# Altium PCB PowerSupply.PcbDoc (continued)
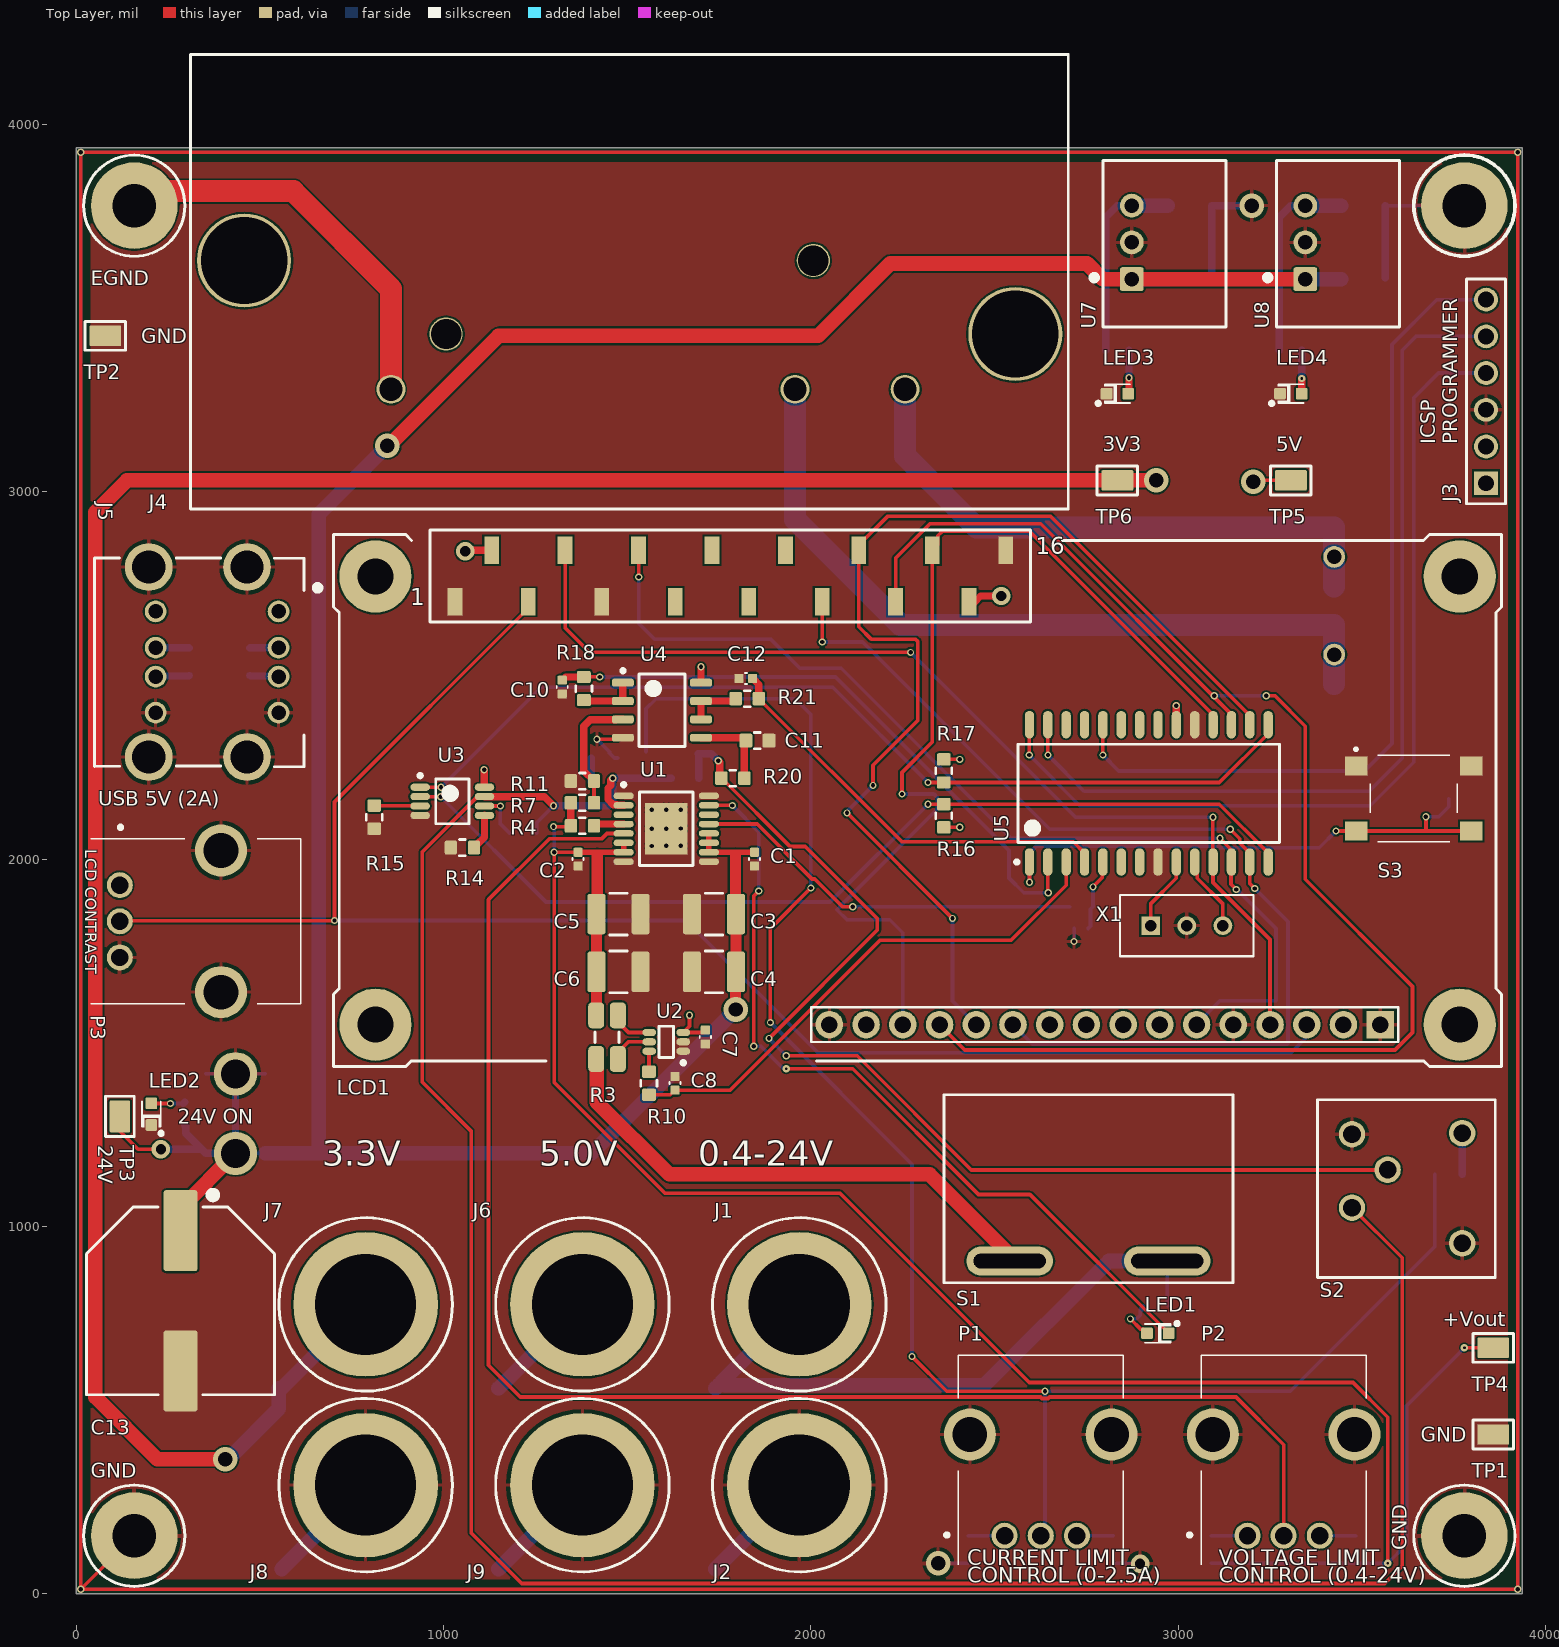
[diagram p0: Top Layer view]
## Footprints (in the part's own frame and the unit in brackets; to place one, negate y for a bottom-side part, rotate by r counter-clockwise, add the part's x,y. Pads: shape width x height; smd on the part's side, far side on the other; paste and mask are expansions set on the pad) (continued)
  silkscreen extent -4.05,-2 8.2,12.5, body extent -3.2,-0.15 8.2,12.5, height 19.5
RESC1608X06N [mm] "0603, Body 1.5x0.8x0.55mm, IPC Medium Density"
  rrect25% 0.85x0.95 smd paste+0 mask+0.064: 1(-0.8,0) 2(0.8,0)
  silkscreen extent -0.2,-0.56 0.2,0.56, body extent -0.85,-0.45 0.85,0.45, height 0.55
RESC2012X07N [mm] "0805, Body 2.0x1.3x0.7mm, IPC Medium Density"
  rrect25% 1.05x1.4 smd paste+0 mask+0.064: 1(-0.95,0) 2(0.95,0)
  silkscreen extent -0.28,-0.75 0.28,0.75, body extent -1.1,-0.67 1.1,0.68, height 0.7
SOIC127P600X175-8N_OPA2376AIDR [mm] "SOIC, 8-Leads, Body 4.90x3.90mm, Pitch 1.27mm, IPC Medium Density"
  rrect50% 1.5x0.55 smd: 1(-2.7,1.905) 2(-2.7,0.635) 3(-2.7,-0.635) 4(-2.7,-1.905) 5(2.7,-1.905) 6(2.7,-0.635) 7(2.7,0.635) 8(2.7,1.905)
  silkscreen extent -2.82,-2.5 1.6,2.85, body extent -3,-2.5 3,2.5, height 1.75
SOIC127P1030X264-28N [mm] "SOIC, 28-Leads, Body 17.88x7.46mm, Pitch 1.27mm, IPC Medium Density"
  oval 1.9x0.65 smd: 1(-4.75,8.255) 2(-4.75,6.985) 3(-4.75,5.715) 4(-4.75,4.445) 5(-4.75,3.175) 6(-4.75,1.905) 7(-4.75,0.635) 8(-4.75,-0.635) 9(-4.75,-1.905) 10(-4.75,-3.175) 11(-4.75,-4.445) 12(-4.75,-5.715) 13(-4.75,-6.985) 14(-4.75,-8.255) 15(4.75,-8.255) 16(4.75,-6.985) 17(4.75,-5.715) 18(4.75,-4.445) 19(4.75,-3.175) 20(4.75,-1.905) 21(4.75,-0.635) 22(4.75,0.635) 23(4.75,1.905) 24(4.75,3.175) 25(4.75,4.445) 26(4.75,5.715) 27(4.75,6.985) 28(4.75,8.255)
  silkscreen extent -4.87,-9.05 3.4,9.25, body extent -5.17,-9.05 5.17,9.05, height 2.64
TP_HARWIN_2751-46R [mm] "SMD Test Point"
  rrect10% 2.2x1.4 smd paste+0 mask+0.064: 1(0,0)
  silkscreen extent -1.4,-1 1.4,1, body extent -1,-0.6 1,0.6, height 1.5
TSOP65P240X110-6N [mm] "TSOP, 6-Leads, Body 2.15x1.40mm, Pitch 0.65mm, IPC Medium Density"
  oval 0.95x0.5 smd: 1(-1.175,0.65) 2(-1.175,0) 3(-1.175,-0.65) 4(1.175,-0.65) 5(1.175,0) 6(1.175,0.65)
  silkscreen extent -1.3,-1.07 0.5,1.57, body extent -1.19,-1.1 1.19,1.1, height 1.1
TSOP65P490X110-8N [mm] "TSOP, 8-Leads, Body 3.00x3.00mm, Pitch 0.65mm, IPC Medium Density"
  oval 1.35x0.5 smd: 1(-2.225,0.975) 2(-2.225,0.325) 3(-2.225,-0.325) 4(-2.225,-0.975) 5(2.225,-0.975) 6(2.225,-0.325) 7(2.225,0.325) 8(2.225,0.975)
  silkscreen extent -2.35,-1.55 1.15,1.9, body extent -2.45,-1.55 2.45,1.55, height 1.1
TSOP65P640X110_HS-17N [mm] "TSOP, 16-Leads, Body 5.00x4.40mm, Pitch 0.65mm, Thermal Pad 3.58x2.94mm, IPC Medium Density"
  oval 1.4x0.45 smd: 1(-2.95,2.275) 2(-2.95,1.625) 3(-2.95,0.975) 4(-2.95,0.325) 5(-2.95,-0.325) 6(-2.95,-0.975) 7(-2.95,-1.625) 8(-2.95,-2.275) 9(2.95,-2.275) 10(2.95,-1.625) 11(2.95,-0.975) 12(2.95,-0.325) 13(2.95,0.325) 14(2.95,0.975) 15(2.95,1.625) 16(2.95,2.275)
  rect 2.94x3.58 smd: 17(0,0)
  silkscreen extent -3.07,-2.55 1.85,3.17, body extent -3.2,-2.55 3.2,2.55, height 1.1
USB-A2VSW6 [mm] "USB - A, Stacked Receptacle Connector 8 Position Through Hole"
  round 1.5 hole 1: 1(-3.5,0) 2(-1,0) 3(1,0) 4(3.5,0) 5(-3.5,-8.5) 6(-1,-8.5) 7(1,-8.5) 8(3.5,-8.5)
  round 3.3 hole 2.3: M1(-6.57,-2.18) M2(6.57,-2.18) M3(-6.57,-8.98) M4(6.57,-8.98)
  silkscreen extent -7.2,-12.73 7.24,2.9, body extent -7.79,-13.41 7.81,2.21, height 17.4

## Part data
C1 C2 C7 C8 C10 C12 C14 C15: DIELECTRIC=X7R, TOLERANCE=10%, VOLTAGE=50V, COST=0.3, MFG="Taiyo Yuden", MFG_PART_NO=UMK105B7104KVHF
  C15: NOSTUFF=DNP
C3 C4 C5 C6 C16 C17 C18 C19: DIELECTRIC=X7S, TOLERANCE=20%, VOLTAGE=50V, COST=1.14, MFG="Taiyo Yuden", MFG_PART_NO=UMK325C7106MM-T
C9 C11: DIELECTRIC=C0G/NP0, TOLERANCE=5%, VOLTAGE=50V, COST=0.3, MFG=Murata, MFG_PART_NO=GRM1885C1H103JA01D
C13: TOLERANCE=20%, VOLTAGE=100V, COST=2.51, MFG="United Chemi-Con", MFG_PART_NO=EMVY101ARA101MKE0S
EGND GND GND GND: "PTH, 3.0mm"
LED1 LED2 LED3 LED4: "LED SUPER GREEN CLEAR 0603 SMD", COST=0.05, MFG=Lite-On, MFG_PART_NO=0.39
R3: TOLERANCE=0.5%, COST=1.19, MFG=Ohmite, MFG_PART_NO=FC4TR010DER
R4 R5 R11 R13 R15 R16 R17 R20 R22 R24 R25 R27 R28: TOLERANCE=1%
  R4 R11 R16 R17 R20 R22 R25: COST=0.2, MFG=Rohm, MFG_PART_NO=ESR03EZPF1002
  R5 R13 R27 R28: COST=0.15, MFG=Stackpole, MFG_PART_NO=RMCF0603FT1K00
  R15: COST=0.15, MFG=Yageo, MFG_PART_NO=RC0603FR-07160KL
  R24: COST=0.2, MFG=Rohm, MFG_PART_NO=ESR03EZPF1002, NOSTUFF=DNP
R7 R14: TOLERANCE=0.1%, COST=1.46, MFG="Vishay Thin Film", MFG_PART_NO=PAT0603E4002BST1
R10 R18 R21 R26: POWER=0.1W, COST=0.15, MFG=Yageo, MFG_PART_NO=RC0603FR-07200RL
  R26: NOSTUFF=DNP
S3: CURRENT=0.05A, VOLTAGE=12V, COST=0.24, MFG=C&K, MFG_PART_NO="PTS645SM43SMTR92 LFS"
TP1 TP2 TP3 TP4 TP5 TP6: "PC TEST POINT TIN SMD", COST=0.12320, MFG="Harwin Inc.", MFG_PART_NO=S2751-46R
U4: "IC OPAMP GP 5.5MHZ RRO 8SOIC", COST=3.82, MFG=TI, MFG_PART_NO=OPA2376AIDR
U5: library part "IC MCU 8BIT 14KB FLASH 28SOIC", "IC MCU 8BIT 14KB FLASH 28SOIC", PACKAGE=28-SOIC, COST=4.67, MFG="Microchip Technology", MFG_PART_NO=PIC16F876A-I/SO
X1: TOLERANCE=+/-0.5, COST=0.34, MFG="CER RESONATOR", MFG_PART_NO=CSTLS4M00G56-A0, STABILITY=+/-0.2
J1 J6 J7: COST=0.49, MFG="SparkFun Electronics", MFG_PART_NO=PRT-09739
J2 J8 J9: COST=0.49, MFG="SparkFun Electronics", MFG_PART_NO=PRT-09740
J3: COST=0.47, MFG="Wurth Electronics Inc.", MFG_PART_NO=61300611121
J4: COST=21.59, MFG="Schurter Inc.", MFG_PART_NO=KP01.1112.11
J5: COST=1.29, MFG="On Shore Technology Inc.", MFG_PART_NO=USB-A2VSW6
LCD1: COST=14.07, MFG="Adafruit Industries LLC", MFG_PART_NO=181
P1 P3: COST=1.17, MFG="Bourns Inc.", MFG_PART_NO=PTV09A-4020F-A103
P2: COST=1.17, MFG="Bourns Inc.", MFG_PART_NO=PTV09A-4020F-A504
R1 R6 R9 R12 R19 R29 R30: COST=0.15, MFG=Panasonic, MFG_PART_NO=ERJ-6GEY0R00V
R2 R8 R23: COST=0.15, MFG=Panasonic, MFG_PART_NO=ERJ-6GEY0R00V, NOSTUFF=DNP
S1: COST=2.59, MFG=E-Switch, MFG_PART_NO=PB1973ABLKBLKEF0
S2: COST=3.58, MFG=C&K, MFG_PART_NO=KS12R22CQD, NOSTUFF=DNP
U1: COST=24.76, MFG="Linear Technology/Analog Devices", MFG_PART_NO=LT3086EFE#PBF
U2: COST=1.29, GAIN="GAIN = 100", MFG="TE Connectivity AMP Connectors", MFG_PART_NO=INA199A2DCKT
U3: COST=1.82, MFG="Maxim Integrated", MFG_PART_NO=DS4432U+
U6: COST=24.76, MFG="MEAN WELL USA Inc.", MFG_PART_NO=IRM-60-24
U7: COST=12.72, MFG="Recom Power", MFG_PART_NO=R-78B3.3-1.0
U8: COST=12.72, MFG="Recom Power", MFG_PART_NO=R-78B5.0-2.0

## Via types
v1: diameter 19.68, hole 11.81, Top Layer to Bottom Layer, 68 vias
v2: diameter 66.93, hole 39.37, Top Layer to Bottom Layer, 7 vias
v3: diameter 50, hole 28, Top Layer to Bottom Layer, 4 vias
v4: diameter 19.68, hole 7.87, Top Layer to Bottom Layer, 4 vias

## Nets (pads, with @x,y where several pads share a name; then routed paths per layer and width w, separated by ;. In a path a pad name is that pad's centre, name@x,y a point inside that pad or via, vN(x,y) a via of type N, cw(c..) or ccw(c..) an arc to the next point about the centre after c; other vN are vias at no path point)
+3.3V: C17.1 J7.1 R27.2 TP6.1 U7.3 | length 6859.4
  Top Layer w40: v2(405.51,366.14) 220.47,366.14 51.18,535.43 51.18,2944.88 137.8,3031.5 TP6.1 v2(2940.94,3031.5)
  Bottom Layer w20: R27.2 2803.15,3748.03 2834.65,3779.53 U7.3
  Bottom Layer w40: v2@425.2,377.95 551.18,503.94 J7.1@551.18,559.06 ; J7.1@559.06,559.06 J7.1@787.4,787.4 ; U7.3 C17.1
+5V: C7.1 C19.1 J3.2 J5.1 J5.5 J6.1 LCD1.2 LCD1.15 P3.1 R16.1 R17.1 R22.2 R24.2 R28.2 TP5.1 U2.3 U3.8 U4.8 U5.20 U8.3 | length 1468.8
  Top Layer w10: v3(1059.06,2838.58) v3@1061.26,2840.79 ; U3.8@1110.24,2196.85 U3.8 ; v1@1669.29,1574.19 1669.29,1544.78 U2.3 1706.2,1528.05 C7.1 ; R16.1 v1(2405.51,2086.61) ; R17.1 v1(2405.51,2271.65) ; v1(2994.88,2418.11) v1@2995.28,2417.72 ; v2(3204.72,3027.56) 3208.66,3031.5 TP5.1
  Top Layer w20: v3@1061.26,2840.79 LCD1.2@1130.71,2840.79 ; U3.8@1110.24,2196.85 v1(1110.24,2243.64) ; U4.8 v1(1700.79,2523.62) ; LCD1.15@2445.2,2699.68 2462.05,2716.54 v3(2518.11,2716.54) ; U5.20 v1@2995.28,2417.72
  Bottom Layer w20: R28.2 3275.59,3748.03 3307.09,3779.53 U8.3
  Bottom Layer w40: J6.1@1149.61,559.06 J6.1@1377.95,787.4 ; U8.3 C19.1
  other v1: 1669.29,1574.8
+24V: C1.1 C3.1 C4.1 C13.1 C14.1 C16.1 C18.1 R25.2 TP3.1 U1.10 U1.11 U1.12 U6.1 U7.1 U8.1 | length 7884.5
  Top Layer w10: TP3.1 118.11,1259.84 167.95,1210 v3(230,1210) ; C13.1 C13.1@283.46,1049.29 ; C4.1@1795.28,1691.97 C4.1
  Top Layer w15: U1.12 U1.10 C1.1
  Top Layer w30: C3.1@1794.33,1839.53 1794.33,2011.81 ; v2(1795.28,1590.55) C4.1@1795.28,1691.97 ; C4.1 C3.1
  Top Layer w40: C13.1@283.46,1049.29 U6.1@433.07,1198.9 ; v2@854.33,3129.92 1149.61,3425.2 2019.69,3425.2 2216.54,3622.05 2751.97,3622.05 2794.49,3579.53 U7.1 U8.1
  Bottom Layer w10: U6.1@433.07,1198.9 U6.1@513.86,1198.9
  Bottom Layer w20: v3(230,1210) U6.1@341.18,1210 ; R25.2@295.28,1275.59 297.24,1275.59 297.24,1253.94 U6.1@341.18,1210 ; C14.1 433.07,1198.9 352.28,1198.9 U6.1@341.18,1210
  Bottom Layer w40: U6.1@513.86,1198.9 657.87,1198.9 ; v2@854.33,3133.86 v2(846.46,3125.98) 659.65,2939.17 659.65,1200.67 657.87,1198.9 ; v2(1795.28,1590.55) 1403.62,1198.9 657.87,1198.9 ; U7.1 C16.1@2971.5,3579.53 ; U8.1 C18.1@3443.94,3579.53
+Vout: C2.1 C5.1 C6.1 R2.2 R3.1 R4.1 R7.2 R9.1 TP4.1 U1.6 U1.7 | length 5750.2
  Top Layer w10: v1(1299.21,2088.58) 1344.49,2088.58 R4.1 ; C2.1 v1(1300.83,2018.7) 1300.83,1392.09 1602.36,1090.55 2078.74,1090.55 2594.49,574.8 3476.38,574.8 3570.87,480.32 v4(3570.87,82.68) ; R3.1@1416.38,1575.75 R3.1@1417.32,1574.8 ; v4(3779.53,669.29) TP4.1
  Top Layer w15: C2.1 U1.7 U1.6
  Top Layer w20: R4.1 R7.2 ; C5.1 C5.1@1417.32,1851.34
  Top Layer w30: R3.1@1416.38,1575.75 C6.1 C5.1 ; C5.1@1418.27,1839.53 1418.27,2011.81
  Bottom Layer w10: v1(1299.21,2088.58) 1300.83,2086.97 v1(1300.83,2018.7) ; R2.2 R9.1 v4(3570.87,82.68) 3622.05,133.86 3622.05,511.81 3765.5,655.26 v4(3779.53,669.29)
+Vout_Conn: J1.1 R5.2 S1.2 | length 1821.2
  Bottom Layer w10: J1.1@1732.28,559.06 J1.1@1740.16,559.06 ; J1.1@1763.78,555.12 1755.91,555.12 J1.1@1767.72,566.93 ; S1.2 2970.47,785.43 R5.2@2972.44,783.46
  Bottom Layer w40: J1.1@1740.16,559.06 1750,568.9 1757.87,576.77 J1.1@1968.5,787.4 ; J1.1@1767.72,566.93 2472.44,566.93 2811.02,905.51 S1.2
AC_3_N: J4.N U6.4 | length 2103.4
  Bottom Layer w60: J4.N 1956.69,2925.2 2243.94,2637.95 3425.2,2637.95 3425.2,2557.17 U6.4@3425.2,2476.38
AC_L_3: J4.L U6.3 | length 1592.3
  Bottom Layer w60: J4.L 2256.69,3097.64 2450.63,2903.7 3425.2,2903.7 3425.2,2822.91 U6.3@3425.2,2742.13
CLOCK_3: J3.5 U5.27 | length 2479.9
  Top Layer w10: U5.27 2645.47,2365.94 2645.47,2283.66 v1(2645.67,2283.46)
  Bottom Layer w10: v1(2645.67,2283.46) 2744.09,2185.04 3519.69,2185.04 3610.24,2275.59 3610.24,3385.83 3648.03,3423.62 J3.5
"CONTRAST ADJ_3": LCD1.3 P3.2 | length 4522
  Top Layer w10: P3.2 119.29,1831.89 701.57,1831.89 v1(702.76,1833.07) 702.76,2155.42 1230.71,2683.37 LCD1.3@1230.71,2700.79
  Bottom Layer w10: v1(702.76,1833.07) 1655.91,1833.07 1657.48,1834.65 2019.69,1472.44 2078.74,1472.44 3307.48,1472.44 3350.39,1515.35 LCD1.3@3350.39,1549.21
CURRENT_LIMIT_ADC_3: C12.1 R21.2 U5.4 | length 1147.9
  Top Layer w10: R21.2 2248.03,2047.24 2714.76,2047.24 2745.28,2016.73 U5.4
  Top Layer w20: C12.1 1841.54,2491.83 1843.84,2489.53 1844.13,2489.53 1858.27,2475.39 R21.2
CURRENT_LIMIT_SENSE_3: R19.1 R20.2 R24.1 S2.3 | length 3050.1
  Top Layer w10: R20.2 1757.13,2220.47 1943.12,2034.49 1984.9,2034.49 2181.1,1838.28 2181.1,1807.09 v1(1885.83,1511.81) ; v1(1933.07,1464.57) 2125.98,1464.57 2437.01,1153.54 3562.6,1153.54 S2.3@3570.47,1161.42
  Top Layer w20: v1(1748.03,2267.72) 1751.97,2263.78 1751.97,2224.41 R20.2
  Bottom Layer w10: v1(1885.83,1511.81) v1(1933.07,1464.57)
  Bottom Layer w20: R19.1 1694.88,2285.43 R24.1 1728.35,2287.4 v1(1748.03,2267.72)
DATA_3: J3.4 U5.28 | length 2453.3
  Top Layer w10: v1(2594.49,2283.46) 2594.49,2365.35 U5.28
  Bottom Layer w10: v1(2594.49,2283.46) 2732.28,2145.67 3523.62,2145.67 3641.73,2263.78 3641.73,3255.91 3709.45,3323.62 J3.4
EARTH_GND: EGND.1 J4.GND | length 1099
  Top Layer w40: EGND.1 EGND.1@196.85,3818.9
  Top Layer w60: EGND.1@196.85,3818.9 590.55,3818.9 856.69,3552.76 J4.GND
GND: C1.2 C2.2 C3.2 C4.2 C5.2 C6.2 C7.2 C8.2 C9.1 C10.2 C11.1 C12.2 C13.2 C14.2 C15.2 C16.2 C17.2 C18.2 C19.2 GND.1 J2.1 J3.3 J5.4 J5.8 J5.M1 J5.M2 J5.M3 J5.M4 J8.1 J9.1 LCD1.1 LCD1.5 LCD1.16 LED2.K LED3.K LED4.K P1.M1 P1.M2 P2.M1 P2.M2 P3.3 P3.M1 P3.M2 R1.2 R8.1 R11.1 R14.1 R15.1 S2.M1 S2.M2 S3.1 S3.2 TP1.1 TP2.1 U1.1 U1.8 U1.9 U1.16 U1.17 U2.1 U2.2 U3.4 U4.4 U5.8 U5.19 U6.2 U7.2 U8.2 X1.2 | length 33831.4
  Top Layer w10: GND.1@157.48,157.48 v1(11.81,11.81) ; v1(1417.32,2326.77) U4.4@1472.44,2326.77 ; U5.8@2944.88,1968.5 2945.28,1968.9 U5.8 ; v1(11.81,11.81) 11.81,2204.72 v1(11.81,3925.2) v1(3925.2,3925.2) v1(3925.2,11.81) v1(11.81,11.81)
  Bottom Layer w10: U6.2@352.28,1415.43 433.07,1415.43 U6.2@513.86,1415.43 ; v1(1417.32,2326.77) 1451.85,2292.25 1451.85,2288.31 C9.1 C9.1@1474.38,2275.59 ; v2(2346.46,82.68) R1.2 ; v1(2716.54,1775.59) 2717.52,1776.58 C15.2 ; R8.1 2895.43,82.68 v3(2896.54,81.57) ; C19.2 GND.1@3779.53,3779.53 ; v1(11.81,11.81) v1(3925.2,11.81) v1(3925.2,3925.2) v1(11.81,3925.2) 11.81,2204.72 v1(11.81,11.81)
  Bottom Layer w20: C14.2 U6.2@433.07,1415.43 ; C16.2 C17.2 v2(3200.79,3779.53) ; C18.2 C19.2
  Bottom Layer w40: J8.1@559.06,66.93 J8.1@787.4,295.28 ; J9.1@1149.61,66.93 J9.1@1377.95,295.28 ; J2.1@1740.16,66.93 J2.1@1944.88,271.65 ; J2.1@1937.01,271.65 J2.1@1944.88,271.65 ; J2.1@1964.57,271.65 J2.1@1944.88,271.65 ; J2.1@1968.5,295.28 J2.1@1944.88,271.65
  other v1: 1566.93,2035.71 1606.3,2035.99 1645.67,2035.99 1566.93,2082.96 1606.3,2082.96 1645.67,2083.23 1566.93,2134.14 1606.3,2134.41 1645.67,2134.41
ILIM_3: R6.2 R12.1 R13.2 R19.2 S2.4 U1.2 U3.7 | length 6579.5
  Top Layer w10: U3.7 1092.02,2170.28 941.43,2019.68 941.43,1393.22 1074.8,1259.84 1074.8,165.35 1212.6,27.56 3562.99,27.56 3610.24,74.8 3610.24,914.17 S2.4
  Top Layer w20: U3.7 1268.56,2170.28 1274.61,2170.28 v1(1299.21,2145.67) ; v1(1460.63,2220.47) 1454.89,2214.73 1454.89,2201.05 1447.6,2193.76 1447.6,2162.36 1461.57,2148.39 1471.34,2148.39 1472.01,2148.39 1473.74,2146.65 U1.2
  Bottom Layer w10: R12.1 1253.94,2100.39 v1(1299.21,2145.67)
  Bottom Layer w20: v1(1299.21,2145.67) R13.2 1448.82,2145.67 1460.63,2157.48 v1(1460.63,2220.47) 1551.18,2220.47 R19.2
LOAD_CURRENT_ADC_3: C8.1 R10.2 U5.3 | length 1435.7
  Top Layer w10: R10.2 1617.13,1358.27 C8.1 1780.51,1371.06 2188.98,1779.53 2545.78,1779.53 2695.28,1929.03 U5.3
LOAD_VOLTAGE_ADC_3: C10.1 R18.2 U5.2 | length 1711.7
  Top Layer w10: R18.2@1368.8,2496.36 v1@1424.9,2496.36 ; U5.2 2645.47,1991.93 2645.47,1909.25 v1(2646.46,1908.27)
  Top Layer w20: C10.1 1323.13,2487.2 1331.99,2496.06 R18.2
  Bottom Layer w10: v1(1425.2,2496.06) 2066.93,2496.06 2539.37,2023.62 2539.37,1948.82 2579.92,1908.27 v1(2646.46,1908.27)
LOAD_VOLTAGE_SENSE_3: R7.1 R11.2 U4.3 | length 334
  Top Layer w10: R7.1 R11.2
  Top Layer w20: R11.2 1381.89,2240.16 1381.89,2362.2 1399.37,2379.69 1468.66,2379.69 1469.49,2380.51 U4.3
"LV ICSP_3": J3.6 U5.24 | length 2312.1
  Top Layer w10: v1(2795.28,2283.46) U5.24
  Bottom Layer w10: v1(2795.28,2283.46) 2838.58,2240.16 3507.87,2240.16 3582.68,2314.96 3582.68,3401.57 3704.72,3523.62 J3.6
MCLRn_3: R22.1 S3.3 S3.4 U5.1 | length 1500.4
  Top Layer w10: v1(2595.28,1937.01) U5.1 ; v1(3430.12,2076.77) S3.3 3674.88,2076.77 ; v1(3674.88,2115.51) 3674.88,2076.77 ; S3.4 3674.88,2076.77
  Bottom Layer w10: v1(2595.28,1937.01) 2595.28,2016.54 2614.17,2035.43 3110.93,2035.43 3115.48,2030.88 3384.23,2030.88 v1(3430.12,2076.77) ; v1(3674.88,2115.51) 3710,2115.51 3737.05,2142.56 R22.1
NetC9_2: C9.2 R13.1 | length 66.9
  Bottom Layer w20: R13.1 C9.2
NetC11_2: C11.2 R20.1 U4.5 | length 233.7
  Top Layer w20: U4.5 C11.2@1822.64,2330.51 ; R20.1 1818.9,2326.77 C11.2@1822.64,2330.51 ; C11.2@1822.83,2330.71 C11.2@1822.64,2330.51
NetC15_1: C15.1 R26.2 U5.5 | length 197.8
  Top Layer w10: v1(2768.31,1924.46) 2793.67,1949.82 2793.67,1990.52 U5.5
  Bottom Layer w10: C15.1 2761.32,1817.42 2761.32,1863.68 R26.2 2768.31,1870.67 v1(2768.31,1924.46)
NetJ5_2: J5.2 R29.2 | length 78.4
  Bottom Layer w20: R29.2 473.03,2575.39 549.8,2575.39 J5.2
NetJ5_3: J5.3 R29.1 | length 79.1
  Bottom Layer w20: R29.1 473.82,2498.62 549.02,2498.62 J5.3
NetJ5_6: J5.6 R30.2 | length 91.8
  Bottom Layer w20: J5.6 216.34,2575.39 306.5,2575.39 R30.2
NetJ5_7: J5.7 R30.1 | length 92.5
  Bottom Layer w20: J5.7 217.13,2498.62 305.71,2498.62 R30.1
NetLCD1_4: LCD1.4 U5.11 | length 2827.1
  Top Layer w10: LCD1.4@1338.58,2838.58 1336.38,2840.79 1330.71,2840.79 1330.71,2629.92 1397.64,2562.99 v1(2271.65,2562.99) ; v1(3094.88,2113.78) 3094.33,2113.23 3094.33,1993.07 U5.11 3095.28,1936.22 3250.39,1781.1 LCD1.4@3250.39,1549.21
  Bottom Layer w10: v1(2271.65,2562.99) 2720.87,2113.78 v1(3094.88,2113.78)
NetLCD1_6: LCD1.6 U5.12 | length 2776
  Top Layer w10: LCD1.6@1530.71,2840.79 1531.5,2840 v1(1531.5,2768.33) ; v1(3114.17,2056.69) 3142.29,2028.57 3142.29,1995.11 U5.12 ; U5.12@3144.09,1992.13 3144.09,1931.79 v1(3158.56,1917.32)
  Bottom Layer w10: v1(1531.5,2768.33) 1531.5,2641.73 1574.8,2598.43 1891.73,2598.43 1970.47,2519.68 2082.68,2519.68 2546.64,2055.73 2547.6,2056.69 v1(3114.17,2056.69) ; LCD1.6@3050.39,1549.21 3050.39,1550.39 3114.17,1614.17 3266.54,1614.17 3266.54,1811.02 3160.24,1917.32 v1(3158.56,1917.32)
NetLCD1_11: LCD1.11 U5.13 | length 2851.7
  Top Layer w10: v1(2030.71,2591.34) LCD1.11@2030.71,2700.79 ; v1(3142.28,2081.54) 3168.21,2055.6 3168.21,2043.79 3195.28,2016.73 U5.13 3195.28,1933.5 3195.4,1933.5 v1(3208.66,1920.24)
  Bottom Layer w10: v1(2030.71,2591.34) 2140.94,2591.34 2650.75,2081.54 v1(3142.28,2081.54) ; LCD1.11@2550.39,1549.21 2602.89,1496.71 3297.58,1496.71 3299.21,1498.35 3299.21,1829.53 3208.66,1920.08 v1(3208.66,1920.24)
NetLCD1_12: LCD1.12 U5.16 | length 3015.3
  Top Layer w10: v1(2098.43,2125.98) v1(2385.83,1838.58) ; v1(2169.29,2200.79) 2169.29,2255.91 2291.5,2378.11 2291.5,2592.41 2285.48,2598.43 2165.35,2598.43 2130.71,2633.07 2130.71,2840.79 2130.71,2855.12 2208.88,2933.29 2653.33,2933.29 3195.28,2391.34 U5.16
  Bottom Layer w10: v1(2098.43,2125.98) 2098.43,2129.92 v1(2169.29,2200.79) ; v1(2385.83,1838.58) 2385.83,1613.78 LCD1.12@2450.39,1549.21
NetLCD1_13: LCD1.13 U5.17 | length 3888.6
  Top Layer w10: LCD1.13@2230.71,2700.79 2230.71,2819.58 2324.42,2913.29 2626.08,2913.29 3145.28,2394.09 U5.17 ; LCD1.13@2350.39,1549.21 2419.29,1480.32 3590.55,1480.32 3638.19,1527.95 3638.19,1653.15 3346.46,1944.88 3346.46,2362.2 3263.78,2444.88 v1(3240.16,2444.88)
  Bottom Layer w10: v1(3098.43,2444.88) v1(3240.16,2444.88)
NetLCD1_14: LCD1.14 U5.18 | length 2720.3
  Top Layer w10: v1(2248.03,2177.17) 2248.03,2236.22 2330.71,2318.9 2330.71,2539.37 2330.71,2840.79 LCD1.14@2317.17,2840.79 ; LCD1.14@2330.71,2841.73 2345.79,2856.81 2345.79,2880.43 2358.64,2893.29 2594.9,2893.29 3095.28,2392.91 U5.18
  Bottom Layer w10: v1(2248.03,2177.17) 2335.04,2177.17 2344.36,2167.84 2344.36,2136.2 2098.24,1890.08 2098.02,1890.08 2080.46,1872.52 2080.46,1872.3 2070.62,1862.46 2098.43,1834.65 2214.96,1834.65 2250.39,1799.21 LCD1.14@2250.39,1549.21
NetLED1_A: LED1.A R5.1 | length 126.4
  Top Layer w10: v1(2870.08,748.03) 2898.7,719.41 2904.61,719.41 LED1.A
  Bottom Layer w10: v1(2870.08,748.03) 2886.44,748.03 2896.59,758.18 2896.59,774.55 R5.1 ; R5.1@2901.91,771.98 R5.1@2905.51,775.59
NetLED2_A: LED2.A R25.1 | length 88.8
  Top Layer w10: LED2.A@208.07,1334.65 v1(255.91,1334.65)
  Bottom Layer w10: v1(255.91,1334.65) R25.1@291.34,1334.65
  Bottom Layer w20: R25.1@291.34,1334.65 R25.1@295.28,1338.58
NetLED3_A: LED3.A R27.1 | length 118.9
  Top Layer w20: LED3.A 2866.14,3269.69 v1(2866.14,3311.02)
  Bottom Layer w20: v1(2866.14,3311.02) R27.1
NetLED4_A: LED4.A R28.1 | length 118.1
  Top Layer w20: LED4.A v4(3336.61,3309.06)
  Bottom Layer w20: v4(3336.61,3309.06) R28.1@3336.61,3385.83
NetP1_1: P1.1 R1.1 | length 98.4
  Bottom Layer w10: R1.1 P1.1
NetP1_3: P1.3 R8.2 | length 98.4
  Bottom Layer w10: P1.3 R8.2
NetP2_1: P2.1 R2.1 | length 98.4
  Bottom Layer w10: R2.1 P2.1
NetP2_3: P2.3 R9.2 | length 98.4
  Bottom Layer w10: P2.3 R9.2
NetR3_2: R3.2 S1.1 | length 1430.9
  Top Layer w40: R3.2@1417.32,1455.71 1417.32,1338.58 1614.17,1141.73 2322.83,1141.73 2541.34,923.23 S1.1
NetR3_3: R3.3 U2.4 | length 100.4
  Top Layer w10: R3.3@1472.44,1559.06 1503.45,1528.05 U2.4
NetR3_4: R3.4 U2.5 | length 100.4
  Top Layer w10: R3.4@1472.44,1471.46 1503.45,1502.46 U2.5
NetR4_2: R4.2 U1.4 | length 82.7
  Top Layer w20: R4.2 1414.37,2095.47 U1.4
NetR10_1: R10.1 U2.6 | length 56
  Top Layer w10: R10.1 1559.06,1475.89 U2.6
NetR12_2: R12.2 U3.6 | length 127.3
  Top Layer w10: U3.6 v1(1154.52,2144.69)
  Bottom Layer w10: v1(1154.52,2144.69) 1154.52,2095.48 R12.2
NetR14_2: R14.2 U3.5 | length 100.6
  Top Layer w20: R14.2 1082.68,2033.46 1089.41,2040.2 1091.38,2040.2 1111.22,2060.04 U3.5
NetR15_2: R15.2 U3.3 | length 125.4
  Top Layer w10: R15.2 811.52,2145.18 935.53,2145.18 U3.3
NetR18_1: R18.1 U4.1 U4.2 | length 157.4
  Top Layer w20: R18.1 1384.45,2430.51 U4.2 U4.1
NetR21_1: R21.1 U4.6 U4.7 | length 147.2
  Top Layer w20: U4.6 U4.7 1788.78,2430.51 R21.1
NetR23_2: R23.2 S2.1 | length 112.2
  Bottom Layer w20: R23.2 S2.1
NetU5_9: U5.9 X1.1 | length 202.3
  Top Layer w10: X1.1 2925.2,1877.95 2995.28,1948.03 U5.9
NetU5_10: U5.10 X1.3 | length 202.3
  Top Layer w10: U5.10@3051.97,1992.13 3051.97,1948.03 3122.05,1877.95 X1.3
Power_Good_3: LED1.K U1.15 | length 2209.4
  Top Layer w10: U1.15 1785.8,2146.65 v1(1786.29,2146.16) ; v1(1844.29,1490.27) 1844.29,1899.4 v1(1858.27,1913.39) ; v4(1933.07,1429.13) 2114.17,1429.13 2456.69,1086.61 2596.46,1086.61 LED1.K
  Bottom Layer w10: v1(1786.29,2146.16) 1858.27,2074.19 v1(1858.27,1913.39) ; v1(1844.29,1490.27) 1864.06,1490.27 1925.2,1429.13 v4(1933.07,1429.13)
RLIM_3: P1.2 R6.1 R23.1 | length 4768.7
  Top Layer w10: v1(1889.76,1555.12) 1889.76,1811.02 v1(2000,1921.26) ; v1(2275.59,645.67) 2370.08,551.18 v1(2637.8,551.18)
  Bottom Layer w10: R6.1 1551.18,2409.45 1578.74,2437.01 1956.69,2437.01 2000,2393.7 v1(2000,1921.26) ; v1(1889.76,1555.12) 2275.59,1169.29 v1(2275.59,645.67) ; P1.2 2637.8,169.29 v1(2637.8,551.18) 3305.12,551.18 3698.82,944.88 R23.1
RSET_3: P2.2 U1.5 | length 4225.1
  Top Layer w10: U1.5 1444.88,2069.88 1430.12,2055.12 1287.4,2055.12 1122.05,1889.76 1122.05,622.05 1208.66,535.43 2625.48,535.43 2629.58,531.34 2646.01,531.34 2650.11,535.43 3157.48,535.43 3287.4,405.51 3287.4,177.17 P2.2@3267.72,157.48
SCL_3: R16.2 U3.2 U5.14 | length 2618.7
  Top Layer w10: U3.2@935.53,2169.78 935.73,2169.98 991.83,2169.98 v1(992.13,2169.68) ; v1(2318.9,2149.61) R16.2 3112.4,2149.61 3245.28,2016.73 U5.14
  Bottom Layer w10: v1(992.13,2169.68) 1278.74,1883.07 2052.36,1883.07 v1(2318.9,2149.61)
SDA_3: R17.2 U3.1 U5.15 | length 2608.6
  Top Layer w10: U3.1@936.22,2196.06 v1@992.32,2196.06 ; v1(2318.9,2208.66) R17.2 3112.4,2208.66 3245.28,2341.54 U5.15
  Bottom Layer w10: v1(992.62,2195.77) 1264.86,2468.01 2059.55,2468.01 v1(2318.9,2208.66)
TEMP_ADC_3: R26.1 U1.13 | length 1075.6
  Top Layer w10: U1.13 1853.85,2095.47 2003.22,1946.1 2010.29,1946.1 2086.31,1870.08 v1(2114.17,1870.08)
  Bottom Layer w10: v1(2114.17,1870.08) R26.1
pads on no net: J3.1 J4. LCD1.0 LCD1.7 LCD1.8 LCD1.9 LCD1.10 U1.3 U1.14 U5.6 U5.7 U5.21 U5.22 U5.23 U5.25 U5.26

## Polygon pours and split planes (outlines as drawn)
+5V on Bottom Layer "Bottom Layer-+5V" (solid, pour order 40): 39.37,3897.64 3897.64,3897.64 3897.64,39.37 39.37,39.37
+3.3V on Bottom Layer "Bottom Layer-+3.3V" (solid, pour order 30): 2755.91,3897.64 3149.61,3897.64 3149.61,2992.13 2755.91,2992.13
no net on Bottom Layer "Bottom Layer-No Net 2" (solid, pour order 12): 2755.91,3818.9
no net on Bottom Layer "Bottom Layer-No Net" (solid, pour order 6): 2755.91,3858.27
no net on Bottom Layer "Bottom Layer-No Net 1" (solid, pour order 0): 2755.91,3897.64
GND on Top Layer "Top Layer-GND" (solid, pour order 44): 39.37,3897.64 3897.64,3897.64 3897.64,39.37 39.37,39.37

## Silkscreen, mask and mechanical layers (free items; w line width, h text height)
Top Overlay:
  text "GND" at 177.17,3405.51 h39.37
  text "ICSP" at 3700.79,3129.92 h39.37 r90
  text "PROGRAMMER" at 3759.84,3129.92 h39.37 r90
  text "3V3" at 2795.28,3110.24 h39.37
  text "5V" at 3267.72,3110.24 h39.37
  text "USB 5V (2A)" at 59.06,2145.67 h39.37
  text "LCD CONTRAST" at 23.62,2027.56 h31.5 r270
  text "24V ON" at 275.59,1279.53 h39.37
  text "24V" at 59.06,1220.47 h39.37 r270
  text "3.3V" at 669.29,1141.73 h118.11
  text "5.0V" at 1259.84,1141.73 h118.11
  text "0.4-24V" at 1692.91,1141.73 h118.11
  text "+Vout" at 3720.47,728.35 h39.37
  text "GND" at 3661.42,413.39 h39.37
  text "CURRENT LIMIT" at 2425.2,62.99 h70.87
  text "VOLTAGE LIMIT" at 3110.24,62.99 h70.87
  text "CONTROL (0-2.5A)" at 2425.2,15.75 h70.87
  text "CONTROL (0.4-24V)" at 3110.24,15.75 h70.87
Bottom Overlay:
  text "EGND" at 255.91,3543.31 h39.37
  text "POWER SUPPLY V1" at 3641.73,669.29 h118.11
  text "60W" at 3877.95,669.29 h118.11
  text "By: Dhrumil Parikh" at 3877.95,551.18 h118.11
  text "GND" at 177.17,334.65 h39.37
  text "GND" at 3858.27,334.65 h39.37
Board Outline:
  the board outline again, w10

## Text inside footprints (layer, text, board x,y; h text height)
LCD1: Top Overlay "1" at 909.06,2675.79 h77.5; Top Overlay "16" at 2611.85,2815.79 h77.5; Mechanical 16 "16" at 2617.75,3326.5 h77.5; Mechanical 16 "1" at 914.96,3186.5 h77.5